# KiCad board mtr_led_system_map.kicad_pcb (continued)
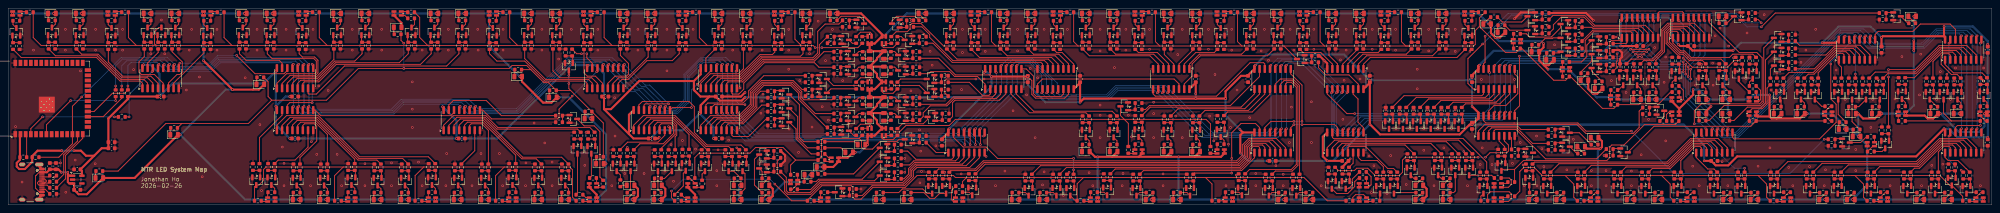
[diagram p0: board, top side]
## Nets (continued)
/S17/LED 2/IN: R529.1 U20.1
/S17/LED 3/IN: R527.1 U20.2
/S17/LED 4/IN: R521.1 U20.3
/S17/LED 5/IN: R523.1 U20.4
/S17/LED 6/IN: R525.1 U20.5
/S17/LED 7/IN: R517.1 U20.6
/S17/LED 8/IN: R519.1 U20.7
/S17/LED_1: Q144.3 R45.1
/S17/LED_2: Q143.3 R46.1
/S17/LED_3: Q142.3 R33.1
/S17/LED_4: Q139.3 R48.1
/S17/LED_5: Q140.3 R49.1
/S17/LED_6: Q141.3 R34.1
/S17/LED_7: Q137.3 R51.1
/S17/LED_8: Q138.3 R52.1
/S18/LED 1/IN: R547.1 U21.15
/S18/LED 2/IN: R545.1 U21.1
/S18/LED 3/IN: R543.1 U21.2
/S18/LED 4/IN: R537.1 U21.3
/S18/LED 5/IN: R539.1 U21.4
/S18/LED 6/IN: R541.1 U21.5
/S18/LED 7/IN: R533.1 U21.6
/S18/LED 8/IN: R535.1 U21.7
/S18/LED_2: Q151.3 R4.1
/S18/LED_3: Q150.3 R17.1
/S18/LED_4: Q147.3 R18.1
/S18/LED_5: Q148.3 R5.1
/S18/LED_6: Q149.3 R20.1
/S18/LED_7: Q145.3 R21.1
/S18/LED_8: Q146.3 R6.1
/S19/LED 1/IN: R563.1 U22.15
/S19/LED 2/IN: R561.1 U22.1
/S19/LED 3/IN: R559.1 U22.2
/S19/LED 4/IN: R553.1 U22.3
/S19/LED 5/IN: R555.1 U22.4
/S19/LED 6/IN: R557.1 U22.5
/S19/LED 7/IN: R549.1 U22.6
/S19/LED 8/IN: R551.1 U22.7
/S19/LED_1: Q160.3 R230.1
/S19/LED_2: Q159.3 R231.1
/S19/LED_3: Q158.3 R224.1
/S19/LED_4: Q155.3 R233.1
/S19/LED_5: Q156.3 R234.1
/S19/LED_6: Q157.3 R225.1
/S19/LED_7: Q153.3 R236.1
/S19/LED_8: Q154.3 R237.1
/S20/LED 1/IN: R579.1 U23.15
/S20/LED 2/IN: R577.1 U23.1
/S20/LED 3/IN: R575.1 U23.2
/S20/LED 4/IN: R569.1 U23.3
/S20/LED 5/IN: R571.1 U23.4
/S20/LED 6/IN: R573.1 U23.5
/S20/LED 7/IN: R565.1 U23.6
/S20/LED 8/IN: R567.1 U23.7
/S20/LED_2: Q167.3 R64.1
/S20/LED_3: Q166.3 R78.1
/S20/LED_4: Q163.3 R79.1
/S20/LED_5: Q164.3 R65.1
/S20/LED_6: Q165.3 R81.1
/S20/LED_7: Q161.3 R82.1
/S20/LED_8: Q162.3 R66.1
/S21/DATA_IN: U24.14 U25.9
/S21/DATA_OUT: U11.14 U24.9
/S21/LED 1/IN: R595.1 U24.15
/S21/LED 2/IN: R593.1 U24.1
/S21/LED 3/IN: R591.1 U24.2
/S21/LED 4/IN: R585.1 U24.3
/S21/LED 5/IN: R587.1 U24.4
/S21/LED 6/IN: R589.1 U24.5
/S21/LED 7/IN: R581.1 U24.6
/S21/LED 8/IN: R583.1 U24.7
/S21/LED_2: Q175.3 R67.1
/S21/LED_3: Q174.3 R85.1
/S21/LED_4: Q171.3 R86.1
/S21/LED_5: Q172.3 R68.1
/S21/LED_6: Q173.3 R88.1
/S21/LED_7: Q169.3 R89.1
/S21/LED_8: Q170.3 R69.1
/S22/LED 1/IN: R611.1 U25.15
/S22/LED 2/IN: R609.1 U25.1
/S22/LED 3/IN: R607.1 U25.2
/S22/LED 4/IN: R601.1 U25.3
/S22/LED 5/IN: R603.1 U25.4
/S22/LED 6/IN: R605.1 U25.5
/S22/LED 7/IN: R597.1 U25.6
/S22/LED 8/IN: R599.1 U25.7
/S22/LED_1: Q184.3 R53.1
/S22/LED_2: Q183.3 R54.1
/S22/LED_3: Q182.3 R35.1
/S22/LED_4: Q179.3 R56.1
/S22/LED_5: Q180.3 R57.1
/S22/LED_6: Q181.3 R36.1
/S22/LED_7: Q177.3 R59.1
/S22/LED_8: Q178.3 R60.1
/S23/DATA_IN: U12.9 U26.14
/S23/LED 1/IN: R627.1 U26.15
/S23/LED 2/IN: R625.1 U26.1
/S23/LED 3/IN: R623.1 U26.2
/S23/LED 4/IN: R617.1 U26.3
/S23/LED 5/IN: R619.1 U26.4
/S23/LED 6/IN: R621.1 U26.5
/S23/LED 7/IN: R613.1 U26.6
/S23/LED 8/IN: R615.1 U26.7
/S23/LED_2: Q191.3 R188.1
/S23/LED_3: Q190.3 R197.1
/S23/LED_4: Q187.3 R198.1
/S23/LED_8: Q186.3
/S24/LED 1/IN: R403.1 U12.15
/S24/LED 2/IN: R401.1 U12.1
/S24/LED 3/IN: R399.1 U12.2
/S24/LED 4/IN: R393.1 U12.3
/S24/LED 5/IN: R395.1 U12.4
/S24/LED 6/IN: R397.1 U12.5
/S24/LED 7/IN: R389.1 U12.6
/S24/LED 8/IN: R391.1 U12.7
/S24/LED_1: Q80.3 R173.1
/S24/LED_2: Q79.3 R174.1
/S24/LED_3: Q78.3
/S24/LED_4: Q75.3
/S24/LED_5: Q76.3
/S24/LED_6: Q77.3
/S24/LED_7: Q73.3
/S24/LED_8: Q74.3
/TCL_Y1: Q24.3 R143.1 R144.1 R145.1 R146.1 R147.1 R148.1 R149.1 R150.1
/TKL_Y1: Q176.3 R84.1 R87.1
/TKL_Y2: Q192.3 R90.1
/TKL_Y3: Q188.3 R55.1 R58.1
/TKL_Y4: Q189.3 R136.1 R196.1
/TKL_Y5: Q185.3 R141.1
/TWL_Y1: Q8.3 R9.1 R12.1 R15.1 R39.1 R42.1 R128.1 R131.1 R134.1 R177.1 R180.1
/TWL_Y2: Q40.3 R189.1
/TWL_Y3: Q111.3 R158.1 R192.1 R195.1 R207.1
CLK: R221.2 U3.11 U4.11 U5.11 U6.11 U7.11 U8.11 U9.11 U10.11 U11.11 U12.11 U13.11 U14.11 U15.11 U16.11 U17.11 U18.11 U19.11 U20.11 U21.11 U22.11 U23.11 U24.11 U25.11 U26.11
LATCH: R222.2 U3.12 U4.12 U5.12 U6.12 U7.12 U8.12 U9.12 U10.12 U11.12 U12.12 U13.12 U14.12 U15.12 U16.12 U17.12 U18.12 U19.12 U20.12 U21.12 U22.12 U23.12 U24.12 U25.12 U26.12
PWM: R229.1 U1.18 U3.13 U4.13 U5.13 U6.13 U7.13 U8.13 U9.13 U10.13 U11.13 U12.13 U13.13 U14.13 U15.13 U16.13 U17.13 U18.13 U19.13 U20.13 U21.13 U22.13 U23.13 U24.13 U25.13 U26.13
RESET: R223.1 U1.12 U3.10 U4.10 U5.10 U6.10 U7.10 U8.10 U9.10 U10.10 U11.10 U12.10 U13.10 U14.10 U15.10 U16.10 U17.10 U18.10 U19.10 U20.10 U21.10 U22.10 U23.10 U24.10 U25.10 U26.10
Net-(D_DOOR_G1-K): D_DOOR_G1.1 R174.2
Net-(D_DOOR_Y1-K): D_DOOR_Y1.1 R173.2
Net-(D_ISL_ADM1-K1): D_ISL_ADM1.2 R152.2
Net-(D_ISL_ADM1-K2): D_ISL_ADM1.3 R159.2
Net-(D_ISL_ADM_CEN1-K): D_ISL_ADM_CEN1.1 R161.2
Net-(D_ISL_ADM_WAC1-K): D_ISL_ADM_WAC1.1 R156.2
Net-(D_ISL_CAB_TIH1-K): D_ISL_CAB_TIH1.1 R110.2
Net-(D_ISL_CAB_WAC1-K): D_ISL_CAB_WAC1.1 R112.2
Net-(D_ISL_CEN1-K1): D_ISL_CEN1.2 R92.2
Net-(D_ISL_CEN1-K2): D_ISL_CEN1.3 R100.2
Net-(D_ISL_CEN_ADM1-K): D_ISL_CEN_ADM1.1 R162.2
Net-(D_ISL_CEN_SHW1-K): D_ISL_CEN_SHW1.1 R101.2
Net-(D_ISL_CHW1-K1): D_ISL_CHW1.2 R96.2
Net-(D_ISL_CHW1-K2): D_ISL_CHW1.3 R114.2
Net-(D_ISL_CHW_HFC1-K): D_ISL_CHW_HFC1.1 R115.2
Net-(D_ISL_CWB1-K1): D_ISL_CWB1.2 R95.2
Net-(D_ISL_CWB1-K2): D_ISL_CWB1.3 R111.2
Net-(D_ISL_FOH1-K1): D_ISL_FOH1.2 R66.2
Net-(D_ISL_FOH1-K2): D_ISL_FOH1.3 R83.2
Net-(D_ISL_FOH_NOP1-K): D_ISL_FOH_NOP1.1 R82.2
Net-(D_ISL_FOH_TIH1-K): D_ISL_FOH_TIH1.1 R106.2
Net-(D_ISL_HFC1-K1): D_ISL_HFC1.2 R97.2
Net-(D_ISL_HFC1-K2): D_ISL_HFC1.3 R117.2
Net-(D_ISL_HFC_CHW1-K): D_ISL_HFC_CHW1.1 R116.2
Net-(D_ISL_HFC_SKW1-K): D_ISL_HFC_SKW1.1 R118.2
Net-(D_ISL_HKU1-K1): D_ISL_HKU1.2 R62.2
Net-(D_ISL_HKU1-K2): D_ISL_HKU1.3 R73.2
Net-(D_ISL_HKU_KET1-K): D_ISL_HKU_KET1.1 R74.2
Net-(D_ISL_HKU_SYP1-K): D_ISL_HKU_SYP1.1 R72.2
Net-(D_ISL_KET1-K1): D_ISL_KET1.2 R63.2
Net-(D_ISL_KET1-K2): D_ISL_KET1.3 R76.2
Net-(D_ISL_KET_HKU1-K): D_ISL_KET_HKU1.1 R75.2
Net-(D_ISL_NOP1-K1): D_ISL_NOP1.2 R127.2
Net-(D_ISL_NOP1-K2): D_ISL_NOP1.3 R142.2
Net-(D_ISL_NOP_FOH1-K): D_ISL_NOP_FOH1.1 R81.2
Net-(D_ISL_NOP_QUB1-K): D_ISL_NOP_QUB1.1 R140.2
Net-(D_ISL_QUB1-K1): D_ISL_QUB1.2 R124.2
Net-(D_ISL_QUB1-K2): D_ISL_QUB1.3 R135.2
Net-(D_ISL_QUB_NOP1-K): D_ISL_QUB_NOP1.1 R137.2
Net-(D_ISL_QUB_TAK1-K): D_ISL_QUB_TAK1.1 R30.2
Net-(D_ISL_SHW1-K1): D_ISL_SHW1.2 R93.2
Net-(D_ISL_SHW1-K2): D_ISL_SHW1.3 R103.2
Net-(D_ISL_SHW_CEN1-K): D_ISL_SHW_CEN1.1 R102.2
Net-(D_ISL_SHW_SYP1-K): D_ISL_SHW_SYP1.1 R104.2
Net-(D_ISL_SKW1-K1): D_ISL_SKW1.2 R98.2
Net-(D_ISL_SKW1-K2): D_ISL_SKW1.3 R120.2
Net-(D_ISL_SKW_HFC1-K): D_ISL_SKW_HFC1.1 R119.2
Net-(D_ISL_SKW_SWH1-K): D_ISL_SKW_SWH1.1 R23.2
Net-(D_ISL_SWH1-K1): D_ISL_SWH1.2 R7.2
Net-(D_ISL_SWH1-K2): D_ISL_SWH1.3 R25.2
Net-(D_ISL_SWH_SKW1-K): D_ISL_SWH_SKW1.1 R24.2
Net-(D_ISL_SWH_TAK1-K): D_ISL_SWH_TAK1.1 R26.2
Net-(D_ISL_SYP1-K1): D_ISL_SYP1.2 R61.2
Net-(D_ISL_SYP1-K2): D_ISL_SYP1.3 R70.2
Net-(D_ISL_SYP_HKU1-K): D_ISL_SYP_HKU1.1 R71.2
Net-(D_ISL_SYP_SHW1-K): D_ISL_SYP_SHW1.1 R105.2
Net-(D_ISL_TAK1-K1): D_ISL_TAK1.2 R8.2
Net-(D_ISL_TAK1-K2): D_ISL_TAK1.3 R28.2
Net-(D_ISL_TAK_QUB1-K): D_ISL_TAK_QUB1.1 R29.2
Net-(D_ISL_TAK_SWH1-K): D_ISL_TAK_SWH1.1 R27.2
Net-(D_ISL_TIH1-K1): D_ISL_TIH1.2 R94.2
Net-(D_ISL_TIH1-K2): D_ISL_TIH1.3 R108.2
Net-(D_ISL_TIH_CAB1-K): D_ISL_TIH_CAB1.1 R109.2
Net-(D_ISL_TIH_FOH1-K): D_ISL_TIH_FOH1.1 R107.2
Net-(D_ISL_WAC1-K1): D_ISL_WAC1.2 R202.2
Net-(D_ISL_WAC1-K2): D_ISL_WAC1.3 R210.2
Net-(D_ISL_WAC_ADM1-K): D_ISL_WAC_ADM1.1 R209.2
Net-(D_ISL_WAC_CAB1-K): D_ISL_WAC_CAB1.1 R113.2
Net-(D_KTL_CHH1-K1): D_KTL_CHH1.2 R154.2
Net-(D_KTL_CHH1-K2): D_KTL_CHH1.3 R167.2
Net-(D_KTL_CHH_DIH1-K): D_KTL_CHH_DIH1.1 R168.2
Net-(D_KTL_CHH_KOB1-K): D_KTL_CHH_KOB1.1 R166.2
Net-(D_KTL_DIH1-K1): D_KTL_DIH1.2 R155.2
Net-(D_KTL_DIH1-K2): D_KTL_DIH1.3 R170.2
Net-(D_KTL_DIH_CHH1-K): D_KTL_DIH_CHH1.1 R169.2
Net-(D_KTL_DIH_WTS1-K): D_KTL_DIH_WTS1.1 R45.2
Net-(D_KTL_HOM1-K1): D_KTL_HOM1.2 R64.2
Net-(D_KTL_HOM1-K2): D_KTL_HOM1.3 R77.2
Net-(D_KTL_HOM_WHA1-K): D_KTL_HOM_WHA1.1 R78.2
Net-(D_KTL_HOM_YMT1-K): D_KTL_HOM_YMT1.1 R237.2
Net-(D_KTL_KOB1-K1): D_KTL_KOB1.2 R153.2
Net-(D_KTL_KOB1-K2): D_KTL_KOB1.3 R164.2
Net-(D_KTL_KOB_CHH1-K): D_KTL_KOB_CHH1.1 R165.2
Net-(D_KTL_KOB_NTK1-K): D_KTL_KOB_NTK1.1 R218.2
Net-(D_KTL_KOT1-K1): D_KTL_KOT1.2 R4.2
Net-(D_KTL_KOT1-K2): D_KTL_KOT1.3 R16.2
Net-(D_KTL_KOT_LOF1-K): D_KTL_KOT_LOF1.1 R52.2
Net-(D_KTL_KOT_SKM1-K): D_KTL_KOT_SKM1.1 R17.2
Net-(D_KTL_KWT1-K1): D_KTL_KWT1.2 R203.2
Net-(D_KTL_KWT1-K2): D_KTL_KWT1.3 R213.2
Net-(D_KTL_KWT_LAT1-K): D_KTL_KWT_LAT1.1 R212.2
Net-(D_KTL_KWT_NTK1-K): D_KTL_KWT_NTK1.1 R214.2
Net-(D_KTL_LAT1-K1): D_KTL_LAT1.2 R228.2
Net-(D_KTL_LAT1-K2): D_KTL_LAT1.3 R244.2
Net-(D_KTL_LAT_KWT1-K): D_KTL_LAT_KWT1.1 R211.2
Net-(D_KTL_LAT_YAT1-K): D_KTL_LAT_YAT1.1 R243.2
Net-(D_KTL_LOF1-K1): D_KTL_LOF1.2 R34.2
Net-(D_KTL_LOF1-K2): D_KTL_LOF1.3 R50.2
Net-(D_KTL_LOF_KOT1-K): D_KTL_LOF_KOT1.1 R51.2
Net-(D_KTL_LOF_WTS1-K): D_KTL_LOF_WTS1.1 R49.2
Net-(D_KTL_MOK1-K1): D_KTL_MOK1.2 R224.2
Net-(D_KTL_MOK1-K2): D_KTL_MOK1.3 R232.2
Net-(D_KTL_MOK_PRE1-K): D_KTL_MOK_PRE1.1 R231.2
Net-(D_KTL_MOK_YMT1-K): D_KTL_MOK_YMT1.1 R233.2
Net-(D_KTL_NTK1-K1): D_KTL_NTK1.2 R204.2
Net-(D_KTL_NTK1-K2): D_KTL_NTK1.3 R216.2
Net-(D_KTL_NTK_KOB1-K): D_KTL_NTK_KOB1.1 R217.2
Net-(D_KTL_NTK_KWT1-K): D_KTL_NTK_KWT1.1 R215.2
Net-(D_KTL_PRE1-K1): D_KTL_PRE1.2 R6.2
Net-(D_KTL_PRE1-K2): D_KTL_PRE1.3 R22.2
Net-(D_KTL_PRE_MOK1-K): D_KTL_PRE_MOK1.1 R230.2
Net-(D_KTL_PRE_SKM1-K): D_KTL_PRE_SKM1.1 R21.2
Net-(D_KTL_SKM1-K1): D_KTL_SKM1.2 R5.2
Net-(D_KTL_SKM1-K2): D_KTL_SKM1.3 R19.2
Net-(D_KTL_SKM_KOT1-K): D_KTL_SKM_KOT1.1 R18.2
Net-(D_KTL_SKM_PRE1-K): D_KTL_SKM_PRE1.1 R20.2
Net-(D_KTL_TIK1-K1): D_KTL_TIK1.2 R226.2
Net-(D_KTL_TIK1-K2): D_KTL_TIK1.3 R238.2
Net-(D_KTL_TIK_YAT1-K): D_KTL_TIK_YAT1.1 R239.2
Net-(D_KTL_WHA1-K1): D_KTL_WHA1.2 R65.2
Net-(D_KTL_WHA1-K2): D_KTL_WHA1.3 R80.2
Net-(D_KTL_WHA_HOM1-K): D_KTL_WHA_HOM1.1 R79.2
Net-(D_KTL_WTS1-K1): D_KTL_WTS1.2 R33.2
Net-(D_KTL_WTS1-K2): D_KTL_WTS1.3 R47.2
Net-(D_KTL_WTS_DIH1-K): D_KTL_WTS_DIH1.1 R46.2
Net-(D_KTL_WTS_LOF1-K): D_KTL_WTS_LOF1.1 R48.2
Net-(D_KTL_YAT1-K1): D_KTL_YAT1.2 R227.2
Net-(D_KTL_YAT1-K2): D_KTL_YAT1.3 R241.2
Net-(D_KTL_YAT_LAT1-K): D_KTL_YAT_LAT1.1 R242.2
Net-(D_KTL_YAT_TIK1-K): D_KTL_YAT_TIK1.1 R240.2
Net-(D_KTL_YMT1-K1): D_KTL_YMT1.2 R225.2
Net-(D_KTL_YMT1-K2): D_KTL_YMT1.3 R235.2
Net-(D_KTL_YMT_HOM1-K): D_KTL_YMT_HOM1.1 R236.2
Net-(D_KTL_YMT_MOK1-K): D_KTL_YMT_MOK1.1 R234.2
Net-(D_TCL_HOK1-K): D_TCL_HOK1.1 R150.2
Net-(D_TCL_KOW1-K): D_TCL_KOW1.1 R149.2
Net-(D_TCL_LAK1-K): D_TCL_LAK1.1 R146.2
Net-(D_TCL_NAC1-K): D_TCL_NAC1.1 R147.2
Net-(D_TCL_OLY1-K): D_TCL_OLY1.1 R148.2
Net-(D_TCL_SUN1-K): D_TCL_SUN1.1 R144.2
Net-(D_TCL_TSY1-K): D_TCL_TSY1.1 R145.2
Net-(D_TCL_TUC1-K): D_TCL_TUC1.1 R143.2
Net-(D_TKL_HAH1-K1): D_TKL_HAH1.2 R68.2
Net-(D_TKL_HAH1-K2): D_TKL_HAH1.3 R87.2
Net-(D_TKL_HAH_POA1-K): D_TKL_HAH_POA1.1 R86.2
Net-(D_TKL_HAH_TKO1-K): D_TKL_HAH_TKO1.1 R88.2
Net-(D_TKL_LHP1-K1): D_TKL_LHP1.2 R69.2
Net-(D_TKL_LHP1-K2): D_TKL_LHP1.3 R90.2
Net-(D_TKL_LHP_TKO1-K): D_TKL_LHP_TKO1.1 R53.2
Net-(D_TKL_NOP1-K1): D_TKL_NOP1.2 R126.2
Net-(D_TKL_NOP1-K2): D_TKL_NOP1.3 R141.2
Net-(D_TKL_NOP_QUB1-K): D_TKL_NOP_QUB1.1 R139.2
Net-(D_TKL_POA1-K1): D_TKL_POA1.2 R67.2
Net-(D_TKL_POA1-K2): D_TKL_POA1.3 R84.2
Net-(D_TKL_POA_HAH1-K): D_TKL_POA_HAH1.1 R85.2
Net-(D_TKL_QUB1-K1): D_TKL_QUB1.2 R125.2
Net-(D_TKL_QUB1-K2): D_TKL_QUB1.3 R136.2
Net-(D_TKL_QUB_NOP1-K): D_TKL_QUB_NOP1.1 R138.2
Net-(D_TKL_QUB_YAT1-K): D_TKL_QUB_YAT1.1 R198.2
Net-(D_TKL_TIK1-K1): D_TKL_TIK1.2 R36.2
Net-(D_TKL_TIK1-K2): D_TKL_TIK1.3 R58.2
Net-(D_TKL_TIK_TKO1-K): D_TKL_TIK_TKO1.1 R57.2
Net-(D_TKL_TIK_YAT1-K): D_TKL_TIK_YAT1.1 R59.2
Net-(D_TKL_TKO1-K1): D_TKL_TKO1.2 R35.2
Net-(D_TKL_TKO1-K2): D_TKL_TKO1.3 R55.2
Net-(D_TKL_TKO_HAH1-K): D_TKL_TKO_HAH1.1 R89.2
Net-(D_TKL_TKO_LHP1-K): D_TKL_TKO_LHP1.1 R54.2
Net-(D_TKL_TKO_TIK1-K): D_TKL_TKO_TIK1.1 R56.2
Net-(D_TKL_YAT1-K1): D_TKL_YAT1.2 R188.2
Net-(D_TKL_YAT1-K2): D_TKL_YAT1.3 R196.2
Net-(D_TKL_YAT_QUB1-K): D_TKL_YAT_QUB1.1 R197.2
Net-(D_TKL_YAT_TIK1-K): D_TKL_YAT_TIK1.1 R60.2
Net-(D_TWL_ADM1-K1): D_TWL_ADM1.2 R151.2
Net-(D_TWL_ADM1-K2): D_TWL_ADM1.3 R158.2
Net-(D_TWL_ADM_CEN1-K): D_TWL_ADM_CEN1.1 R160.2
Net-(D_TWL_ADM_TST1-K): D_TWL_ADM_TST1.1 R157.2
Net-(D_TWL_CEN1-K1): D_TWL_CEN1.2 R91.2
Net-(D_TWL_CEN1-K2): D_TWL_CEN1.3 R99.2
Net-(D_TWL_CEN_ADM1-K): D_TWL_CEN_ADM1.1 R163.2
Net-(D_TWL_CSW1-K1): D_TWL_CSW1.2 R123.2
Net-(D_TWL_CSW1-K2): D_TWL_CSW1.3 R134.2
Net-(D_TWL_CSW_LCK1-K): D_TWL_CSW_LCK1.1 R133.2
Net-(D_TWL_CSW_SSP1-K): D_TWL_CSW_SSP1.1 R175.2
Net-(D_TWL_JOR1-K1): D_TWL_JOR1.2 R187.2
Net-(D_TWL_JOR1-K2): D_TWL_JOR1.3 R195.2
Net-(D_TWL_JOR_TST1-K): D_TWL_JOR_TST1.1 R205.2
Net-(D_TWL_JOR_YMT1-K): D_TWL_JOR_YMT1.1 R194.2
Net-(D_TWL_KWF1-K1): D_TWL_KWF1.2 R31.2
Net-(D_TWL_KWF1-K2): D_TWL_KWF1.3 R39.2
Net-(D_TWL_KWF_KWH1-K): D_TWL_KWF_KWH1.1 R38.2
Net-(D_TWL_KWF_LAK1-K): D_TWL_KWF_LAK1.1 R40.2
Net-(D_TWL_KWH1-K1): D_TWL_KWH1.2 R3.2
Net-(D_TWL_KWH1-K2): D_TWL_KWH1.3 R15.2
Net-(D_TWL_KWH_KWF1-K): D_TWL_KWH_KWF1.1 R37.2
Net-(D_TWL_KWH_TWH1-K): D_TWL_KWH_TWH1.1 R14.2
Net-(D_TWL_LAK1-K1): D_TWL_LAK1.2 R32.2
Net-(D_TWL_LAK1-K2): D_TWL_LAK1.3 R42.2
Net-(D_TWL_LAK_KWF1-K): D_TWL_LAK_KWF1.1 R41.2
Net-(D_TWL_LAK_MEF1-K): D_TWL_LAK_MEF1.1 R43.2
Net-(D_TWL_LCK1-K1): D_TWL_LCK1.2 R122.2
Net-(D_TWL_LCK1-K2): D_TWL_LCK1.3 R131.2
Net-(D_TWL_LCK_CSW1-K): D_TWL_LCK_CSW1.1 R132.2
Net-(D_TWL_LCK_MEF1-K): D_TWL_LCK_MEF1.1 R130.2
Net-(D_TWL_MEF1-K1): D_TWL_MEF1.2 R121.2
Net-(D_TWL_MEF1-K2): D_TWL_MEF1.3 R128.2
Net-(D_TWL_MEF_LAK1-K): D_TWL_MEF_LAK1.1 R44.2
Net-(D_TWL_MEF_LCK1-K): D_TWL_MEF_LCK1.1 R129.2
Net-(D_TWL_MOK1-K1): D_TWL_MOK1.2 R185.2
Net-(D_TWL_MOK1-K2): D_TWL_MOK1.3 R189.2
Net-(D_TWL_MOK_PRE1-K): D_TWL_MOK_PRE1.1 R182.2
Net-(D_TWL_MOK_YMT1-K): D_TWL_MOK_YMT1.1 R190.2
Net-(D_TWL_PRE1-K1): D_TWL_PRE1.2 R172.2
Net-(D_TWL_PRE1-K2): D_TWL_PRE1.3 R180.2
Net-(D_TWL_PRE_MOK1-K): D_TWL_PRE_MOK1.1 R181.2
Net-(D_TWL_PRE_SSP1-K): D_TWL_PRE_SSP1.1 R179.2
Net-(D_TWL_SSP1-K1): D_TWL_SSP1.2 R171.2
Net-(D_TWL_SSP1-K2): D_TWL_SSP1.3 R177.2
Net-(D_TWL_SSP_CSW1-K): D_TWL_SSP_CSW1.1 R176.2
Net-(D_TWL_SSP_PRE1-K): D_TWL_SSP_PRE1.1 R178.2
Net-(D_TWL_TST1-K1): D_TWL_TST1.2 R201.2
Net-(D_TWL_TST1-K2): D_TWL_TST1.3 R207.2
Net-(D_TWL_TST_ADM1-K): D_TWL_TST_ADM1.1 R208.2
Net-(D_TWL_TST_JOR1-K): D_TWL_TST_JOR1.1 R206.2
Net-(D_TWL_TSW1-K1): D_TWL_TSW1.2 R1.2
Net-(D_TWL_TSW1-K2): D_TWL_TSW1.3 R9.2
Net-(D_TWL_TSW_TWH1-K): D_TWL_TSW_TWH1.1 R10.2
Net-(D_TWL_TWH1-K1): D_TWL_TWH1.2 R2.2
Net-(D_TWL_TWH1-K2): D_TWL_TWH1.3 R12.2
Net-(D_TWL_TWH_KWH1-K): D_TWL_TWH_KWH1.1 R13.2
Net-(D_TWL_TWH_TSW1-K): D_TWL_TWH_TSW1.1 R11.2
Net-(D_TWL_YMT1-K1): D_TWL_YMT1.2 R186.2
Net-(D_TWL_YMT1-K2): D_TWL_YMT1.3 R192.2
Net-(D_TWL_YMT_JOR1-K): D_TWL_YMT_JOR1.1 R193.2
Net-(D_TWL_YMT_MOK1-K): D_TWL_YMT_MOK1.1 R191.2
Net-(J1-CC1): J1.A5 R184.1
Net-(J1-CC2): J1.B5 R183.1
Net-(J1-D+-PadA6): J1.A6 J1.B6 R200.1
Net-(J1-D--PadA7): J1.A7 J1.B7 R199.1
Net-(Q1-G): Q1.1 R245.2 R246.1
Net-(Q2-G): Q2.1 R247.2 R248.1
Net-(Q3-G): Q3.1 R249.2 R250.1
Net-(Q4-G): Q4.1 R251.2 R252.1
Net-(Q5-G): Q5.1 R253.2 R254.1
Net-(Q6-G): Q6.1 R255.2 R256.1
Net-(Q7-G): Q7.1 R257.2 R258.1
Net-(Q8-G): Q8.1 R259.2 R260.1
Net-(Q9-G): Q9.1 R261.2 R262.1
Net-(Q10-G): Q10.1 R263.2 R264.1
Net-(Q11-G): Q11.1 R265.2 R266.1
Net-(Q12-G): Q12.1 R267.2 R268.1
Net-(Q13-G): Q13.1 R269.2 R270.1
Net-(Q14-G): Q14.1 R271.2 R272.1
Net-(Q15-G): Q15.1 R273.2 R274.1
Net-(Q16-G): Q16.1 R275.2 R276.1
Net-(Q17-G): Q17.1 R277.2 R278.1
Net-(Q18-G): Q18.1 R279.2 R280.1
Net-(Q19-G): Q19.1 R281.2 R282.1
Net-(Q20-G): Q20.1 R283.2 R284.1
Net-(Q21-G): Q21.1 R285.2 R286.1
Net-(Q22-G): Q22.1 R287.2 R288.1
Net-(Q23-G): Q23.1 R289.2 R290.1
Net-(Q24-G): Q24.1 R291.2 R292.1
Net-(Q25-G): Q25.1 R293.2 R294.1
Net-(Q26-G): Q26.1 R295.2 R296.1
Net-(Q27-G): Q27.1 R297.2 R298.1
Net-(Q28-G): Q28.1 R299.2 R300.1
Net-(Q29-G): Q29.1 R301.2 R302.1
Net-(Q30-G): Q30.1 R303.2 R304.1
Net-(Q31-G): Q31.1 R305.2 R306.1
Net-(Q32-G): Q32.1 R307.2 R308.1
Net-(Q33-G): Q33.1 R309.2 R310.1
Net-(Q34-G): Q34.1 R311.2 R312.1
Net-(Q35-G): Q35.1 R313.2 R314.1
Net-(Q36-G): Q36.1 R315.2 R316.1
Net-(Q37-G): Q37.1 R317.2 R318.1
Net-(Q38-G): Q38.1 R319.2 R320.1
Net-(Q39-G): Q39.1 R321.2 R322.1
Net-(Q40-G): Q40.1 R323.2 R324.1
Net-(Q41-G): Q41.1 R325.2 R326.1
Net-(Q42-G): Q42.1 R327.2 R328.1
Net-(Q43-G): Q43.1 R329.2 R330.1
Net-(Q44-G): Q44.1 R331.2 R332.1
Net-(Q45-G): Q45.1 R333.2 R334.1
Net-(Q46-G): Q46.1 R335.2 R336.1
Net-(Q47-G): Q47.1 R337.2 R338.1
Net-(Q48-G): Q48.1 R339.2 R340.1
Net-(Q49-G): Q49.1 R341.2 R342.1
Net-(Q50-G): Q50.1 R343.2 R344.1
Net-(Q51-G): Q51.1 R345.2 R346.1
Net-(Q52-G): Q52.1 R347.2 R348.1
Net-(Q53-G): Q53.1 R349.2 R350.1
Net-(Q54-G): Q54.1 R351.2 R352.1
Net-(Q55-G): Q55.1 R353.2 R354.1
Net-(Q56-G): Q56.1 R355.2 R356.1
Net-(Q57-G): Q57.1 R357.2 R358.1
Net-(Q58-G): Q58.1 R359.2 R360.1
Net-(Q59-G): Q59.1 R361.2 R362.1
Net-(Q60-G): Q60.1 R363.2 R364.1
Net-(Q61-G): Q61.1 R365.2 R366.1
Net-(Q62-G): Q62.1 R367.2 R368.1
Net-(Q63-G): Q63.1 R369.2 R370.1
Net-(Q64-G): Q64.1 R371.2 R372.1
Net-(Q65-G): Q65.1 R373.2 R374.1
Net-(Q66-G): Q66.1 R375.2 R376.1
Net-(Q67-G): Q67.1 R377.2 R378.1
Net-(Q68-G): Q68.1 R379.2 R380.1
Net-(Q69-G): Q69.1 R381.2 R382.1
Net-(Q70-G): Q70.1 R383.2 R384.1
Net-(Q71-G): Q71.1 R385.2 R386.1
Net-(Q72-G): Q72.1 R387.2 R388.1
Net-(Q73-G): Q73.1 R389.2 R390.1
Net-(Q74-G): Q74.1 R391.2 R392.1
Net-(Q75-G): Q75.1 R393.2 R394.1
Net-(Q76-G): Q76.1 R395.2 R396.1
Net-(Q77-G): Q77.1 R397.2 R398.1
Net-(Q78-G): Q78.1 R399.2 R400.1
Net-(Q79-G): Q79.1 R401.2 R402.1
Net-(Q80-G): Q80.1 R403.2 R404.1
Net-(Q81-G): Q81.1 R405.2 R406.1
Net-(Q82-G): Q82.1 R407.2 R408.1
Net-(Q83-G): Q83.1 R409.2 R410.1
Net-(Q84-G): Q84.1 R411.2 R412.1
Net-(Q85-G): Q85.1 R413.2 R414.1
Net-(Q86-G): Q86.1 R415.2 R416.1
Net-(Q87-G): Q87.1 R417.2 R418.1
Net-(Q88-G): Q88.1 R419.2 R420.1
Net-(Q89-G): Q89.1 R421.2 R422.1
Net-(Q90-G): Q90.1 R423.2 R424.1
Net-(Q91-G): Q91.1 R425.2 R426.1
Net-(Q92-G): Q92.1 R427.2 R428.1
Net-(Q93-G): Q93.1 R429.2 R430.1
Net-(Q94-G): Q94.1 R431.2 R432.1
Net-(Q95-G): Q95.1 R433.2 R434.1
Net-(Q96-G): Q96.1 R435.2 R436.1
Net-(Q97-G): Q97.1 R437.2 R438.1
Net-(Q98-G): Q98.1 R439.2 R440.1
Net-(Q99-G): Q99.1 R441.2 R442.1
Net-(Q100-G): Q100.1 R443.2 R444.1
Net-(Q101-G): Q101.1 R445.2 R446.1
Net-(Q102-G): Q102.1 R447.2 R448.1
Net-(Q103-G): Q103.1 R449.2 R450.1
Net-(Q104-G): Q104.1 R451.2 R452.1
Net-(Q105-G): Q105.1 R453.2 R454.1
Net-(Q106-G): Q106.1 R455.2 R456.1
Net-(Q107-G): Q107.1 R457.2 R458.1
Net-(Q108-G): Q108.1 R459.2 R460.1
Net-(Q109-G): Q109.1 R461.2 R462.1
Net-(Q110-G): Q110.1 R463.2 R464.1
Net-(Q111-G): Q111.1 R465.2 R466.1
Net-(Q112-G): Q112.1 R467.2 R468.1
Net-(Q113-G): Q113.1 R469.2 R470.1
Net-(Q114-G): Q114.1 R471.2 R472.1
Net-(Q115-G): Q115.1 R473.2 R474.1
Net-(Q116-G): Q116.1 R475.2 R476.1
Net-(Q117-G): Q117.1 R477.2 R478.1
Net-(Q118-G): Q118.1 R479.2 R480.1
Net-(Q119-G): Q119.1 R481.2 R482.1
Net-(Q120-G): Q120.1 R483.2 R484.1
Net-(Q121-G): Q121.1 R485.2 R486.1
Net-(Q122-G): Q122.1 R487.2 R488.1
Net-(Q123-G): Q123.1 R489.2 R490.1
Net-(Q124-G): Q124.1 R491.2 R492.1
Net-(Q125-G): Q125.1 R493.2 R494.1
Net-(Q126-G): Q126.1 R495.2 R496.1
Net-(Q127-G): Q127.1 R497.2 R498.1
Net-(Q128-G): Q128.1 R499.2 R500.1
Net-(Q129-G): Q129.1 R501.2 R502.1
Net-(Q130-G): Q130.1 R503.2 R504.1
Net-(Q131-G): Q131.1 R505.2 R506.1
Net-(Q132-G): Q132.1 R507.2 R508.1
Net-(Q133-G): Q133.1 R509.2 R510.1
Net-(Q134-G): Q134.1 R511.2 R512.1
Net-(Q135-G): Q135.1 R513.2 R514.1
Net-(Q136-G): Q136.1 R515.2 R516.1
Net-(Q137-G): Q137.1 R517.2 R518.1
Net-(Q138-G): Q138.1 R519.2 R520.1
Net-(Q139-G): Q139.1 R521.2 R522.1
Net-(Q140-G): Q140.1 R523.2 R524.1
Net-(Q141-G): Q141.1 R525.2 R526.1
Net-(Q142-G): Q142.1 R527.2 R528.1
Net-(Q143-G): Q143.1 R529.2 R530.1
Net-(Q144-G): Q144.1 R531.2 R532.1
Net-(Q145-G): Q145.1 R533.2 R534.1
Net-(Q146-G): Q146.1 R535.2 R536.1
Net-(Q147-G): Q147.1 R537.2 R538.1
Net-(Q148-G): Q148.1 R539.2 R540.1
Net-(Q149-G): Q149.1 R541.2 R542.1
Net-(Q150-G): Q150.1 R543.2 R544.1
Net-(Q151-G): Q151.1 R545.2 R546.1
Net-(Q152-G): Q152.1 R547.2 R548.1
Net-(Q153-G): Q153.1 R549.2 R550.1
Net-(Q154-G): Q154.1 R551.2 R552.1
Net-(Q155-G): Q155.1 R553.2 R554.1
Net-(Q156-G): Q156.1 R555.2 R556.1
Net-(Q157-G): Q157.1 R557.2 R558.1
Net-(Q158-G): Q158.1 R559.2 R560.1
Net-(Q159-G): Q159.1 R561.2 R562.1
Net-(Q160-G): Q160.1 R563.2 R564.1
Net-(Q161-G): Q161.1 R565.2 R566.1
Net-(Q162-G): Q162.1 R567.2 R568.1
Net-(Q163-G): Q163.1 R569.2 R570.1
Net-(Q164-G): Q164.1 R571.2 R572.1
Net-(Q165-G): Q165.1 R573.2 R574.1
Net-(Q166-G): Q166.1 R575.2 R576.1
Net-(Q167-G): Q167.1 R577.2 R578.1
Net-(Q168-G): Q168.1 R579.2 R580.1
Net-(Q169-G): Q169.1 R581.2 R582.1
Net-(Q170-G): Q170.1 R583.2 R584.1
Net-(Q171-G): Q171.1 R585.2 R586.1
Net-(Q172-G): Q172.1 R587.2 R588.1
Net-(Q173-G): Q173.1 R589.2 R590.1
Net-(Q174-G): Q174.1 R591.2 R592.1
Net-(Q175-G): Q175.1 R593.2 R594.1
Net-(Q176-G): Q176.1 R595.2 R596.1
Net-(Q177-G): Q177.1 R597.2 R598.1
Net-(Q178-G): Q178.1 R599.2 R600.1
Net-(Q179-G): Q179.1 R601.2 R602.1
Net-(Q180-G): Q180.1 R603.2 R604.1
Net-(Q181-G): Q181.1 R605.2 R606.1
Net-(Q182-G): Q182.1 R607.2 R608.1
Net-(Q183-G): Q183.1 R609.2 R610.1
Net-(Q184-G): Q184.1 R611.2 R612.1
Net-(Q185-G): Q185.1 R613.2 R614.1
Net-(Q186-G): Q186.1 R615.2 R616.1
Net-(Q187-G): Q187.1 R617.2 R618.1
Net-(Q188-G): Q188.1 R619.2 R620.1
Net-(Q189-G): Q189.1 R621.2 R622.1
Net-(Q190-G): Q190.1 R623.2 R624.1
Net-(Q191-G): Q191.1 R625.2 R626.1
Net-(Q192-G): Q192.1 R627.2 R628.1
Net-(U1-EN): R219.2 U1.3
Net-(U1-IO4): R220.1 U1.4
Net-(U1-IO7): R221.1 U1.7
Net-(U1-IO9): R222.1 U1.17
Net-(U1-USB_D+): R200.2 U1.14
Net-(U1-USB_D-): R199.2 U1.13

Pads without a net: J1 A8 B8; U1 5 6 8 9 10 11 15 16 19 20 21 22 23 24 25 26 27 28 29 30 31 32 33 34 35 36 37 38 39; U2 4

## Via types
v1: diameter 0.6, hole 0.3, Top to Bottom, 815 vias

## Routing (per net, layer and track width the routed paths; a pad name or vN(x,y) marks a point on that pad's centre or on a via; arc(x,y) is an arc through that point)
+3V3: length 1003.6
  Top w0.5: 65.75,23.27 65.75,23.94 v1(65.5,24.2) ; 65.75,33.57 65.75,33.05 v1(65.5,32.8) ; C20.1 228.5,16.22 230.05,17.77 230.05,18.45 v1(230.3,18.7) ; 21.04,12.06 22.88,13.9 C3.1 C4.1 24.52,21.17 24.5,21.2 29.3,26 29.3,26.57 29.32,26.6 C7.1 v1(37,26.6) ; 21.04,12.06 19.04,12.06 17.8,13.3 v1(16.1,13.3) ; 21.04,12.06 C6.1 18.04,8.34 U2.5 ; C11.1 v1(172.6,16.3) ; 151.9,17.4 153,16.3 C12.1 v1(157.2,16.3) ; 151.9,17.4 151.9,22.12 U8.16 ; 151.9,17.4 145.8,23.5 ; C9.1 v1(145.8,26.6) 145.8,23.5 ; U18.16 394.85,45.35 v1(394.6,45.1) ; C29.1 v1(458.4,41.1) 458.7,41.4 473.7,41.4 ; U9.16 106.56,23.84 v1(106.3,24.1) ; U20.16 290.6,29.98 C24.1 v1(290.6,27.3) ; C8.1 v1(68.9,26.6) ; U14.16 321.7,16.72 321.7,11.9 v1(322.8,10.8) 326.42,10.8 ; v1(238.8,32.5) 239.05,32.75 U22.16 ; v1(360,34.3) 359.75,34.05 U12.16 358.2,31.82 v1(358.2,31.2) ; v1(180.3,26.4) 179.5,25.6 174.12,25.6 C10.1 171.6,26.6 ; v1(358.2,19.7) 357.6,19.7 355.2,17.3 335.7,17.3 v1(333.2,19.8) C23.1 ; v1(358.2,19.7) 359.75,21.25 U26.16 359.75,22.64 v1(358.2,24.2) ; v1(358.2,19.7) 358.2,20.17 ; v1(33.1,34.4) 32.85,34.15 U3.16 ; v1(169.2,22.4) 169.46,22.65 U7.16 169.46,24.45 171.6,26.6 ; 473.7,41.4 v1(473.7,43.8) ; 473.7,41.4 473.95,41.14 U24.16 ; C28.1 v1(484.4,39.4) ; 167.8,30.4 167.8,28.2 169.4,26.6 171.6,26.6 ; 167.8,30.4 154.4,30.4 147.5,23.5 145.8,23.5 ; 167.8,30.4 169.46,32.05 U6.16 ; C23.1 333.2,29.98 U19.16 ; C23.1 v1(333.2,30.6) ; v1(422.1,37.9) 412.12,37.9 C21.1 409.1,39 v1(408.7,39.4) ; C14.1 v1(68.9,16.3) ; v1(301.5,12.7) 301.5,17.15 302.12,17.77 ; C19.1 v1(308.1,10.8) ; 302.12,17.77 v1(301.4,18.5) ; 302.12,17.77 U15.16 ; U17.16 407.35,45.45 v1(407.1,45.2) ; U21.16 262.3,29.98 C25.1 v1(262.3,25.2) 263.2,26.1 v1(290.6,26.1) v1(297.9,26.1) 297.9,27.9 301.67,31.67 303.4,31.67 303.4,31.82 U23.16 304.95,34.05 v1(305.2,34.3) ; U25.16 447.18,39.8 v1(443.9,39.8) ; U5.16 141.66,34.05 v1(141.9,34.3) ; v1(412.8,16.9) 413.05,17.15 U13.16 ; 249.5,31.67 v1(249.5,31.5) v1(240.6,31.5) ; U11.16 473.95,18.44 v1(473.7,18.7) 466.9,11.9 423.1,11.9 420.9,9.7 417.82,9.7 416.72,10.8 v1(415,10.8) ; C13.1 v1(109.7,16.3) ; U1.2 2.88,17.21 R219.1 2.88,11.07 2.1,10.3 2.1,9.4 2.7,8.8 4.1,8.8 5.88,10.57 5.88,11.97 7.2,13.3 v1(13.1,13.3) ; C15.1 v1(484.4,16.6) ; C22.1 v1(394.6,39)
  Bottom w0.5: v1(358.2,19.7) 410,19.7 v1(412.8,16.9) 415,14.7 v1(415,10.8) ; v1(249.5,31.5) 249.5,29.5 253.8,25.2 v1(262.3,25.2) ; v1(65.5,24.2) 67.9,26.6 v1(68.9,26.6) ; v1(65.5,24.2) v1(65.5,32.8) 62.5,29.8 40.2,29.8 v1(37,26.6) 37,32.2 34.8,34.4 v1(33.1,34.4) ; v1(65.5,24.2) 65.5,19.7 v1(68.9,16.3) v1(109.7,16.3) ; v1(360,34.3) 363.5,37.8 390.5,37.8 391.7,39 v1(394.6,39) v1(394.6,45.1) 395.5,46 406.3,46 v1(407.1,45.2) 407.1,41 v1(408.7,39.4) ; v1(473.7,18.7) 474.9,18.7 477,16.6 v1(484.4,16.6) v1(484.4,39.4) 484.4,40.2 480.8,43.8 v1(473.7,43.8) ; v1(172.6,16.3) 172.6,19 v1(169.2,22.4) 165.1,18.3 159.2,18.3 v1(157.2,16.3) ; v1(290.6,27.3) v1(290.6,26.1) ; v1(13.1,13.3) v1(16.1,13.3) ; 238,26.4 240.6,29 v1(240.6,31.5) 239.6,32.5 v1(238.8,32.5) ; 238,26.4 v1(180.3,26.4) ; 238,26.4 v1(230.3,18.7) ; v1(305.2,34.3) 307.8,36.9 326.9,36.9 v1(333.2,30.6) 357.6,30.6 v1(358.2,31.2) v1(358.2,24.2) ; v1(109.7,16.3) 109.7,20.7 v1(106.3,24.1) ; v1(109.7,16.3) 119.7,16.3 137.7,34.3 v1(141.9,34.3) 143.7,34.3 145.8,32.2 v1(145.8,26.6) ; v1(301.4,18.5) 297.9,22 v1(297.9,26.1) ; v1(422.1,37.9) 424,39.8 v1(443.9,39.8) 447.9,43.8 455.7,43.8 v1(458.4,41.1) ; v1(333.2,19.8) 324.2,10.8 v1(322.8,10.8) v1(308.1,10.8) 303.4,10.8 v1(301.5,12.7)
